# Altium PCB CorePad-V2.0.PcbDoc (part 1 of 3) (continued)
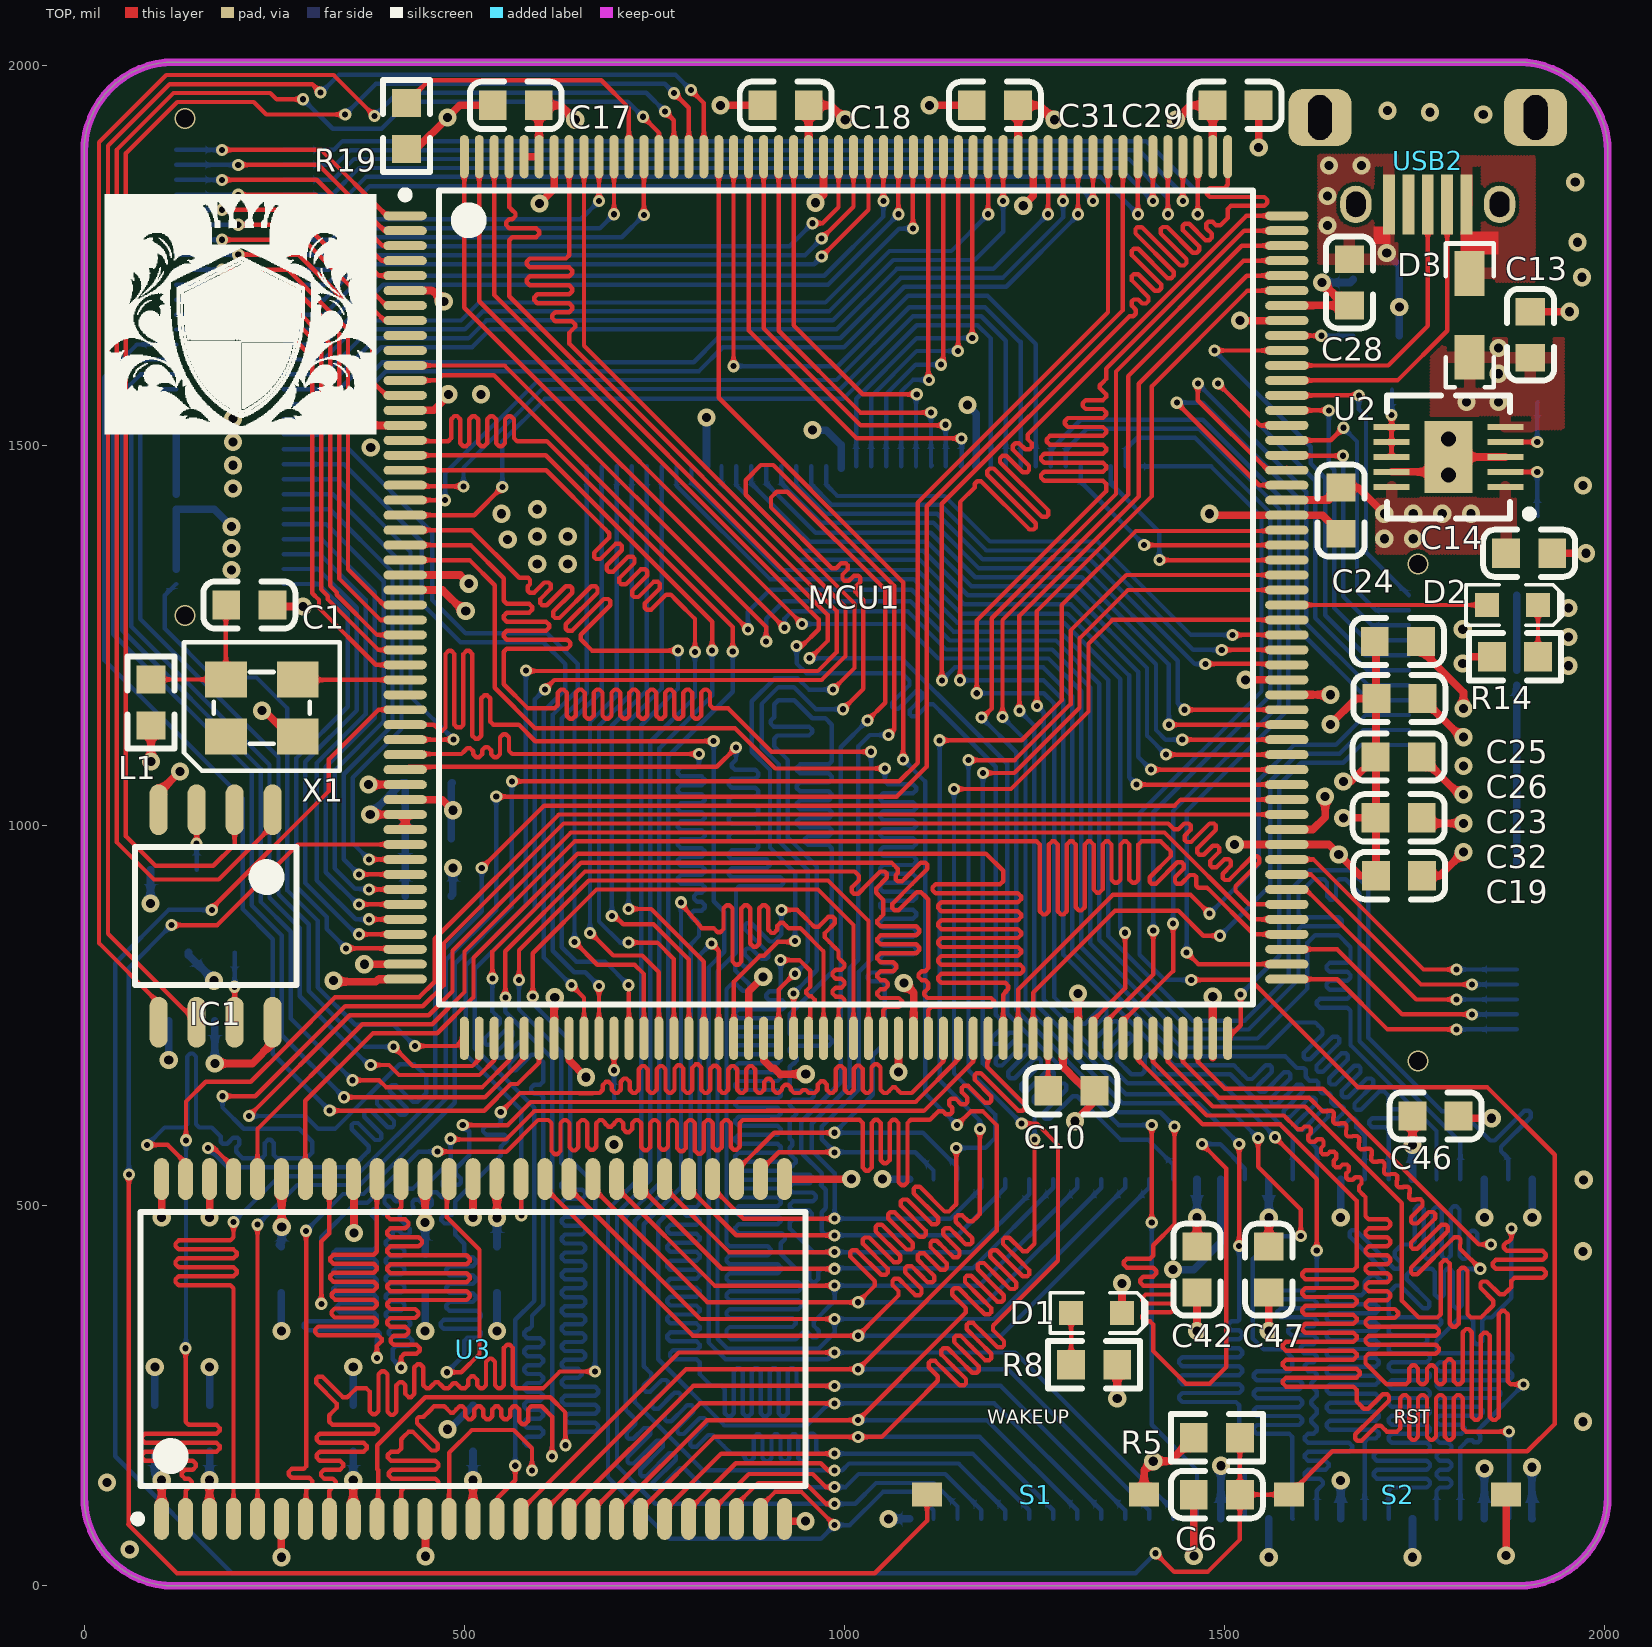
[diagram p0: TOP view]
## Nets (pads, with @x,y where several pads share a name; then routed paths per layer and width w, separated by ;. In a path a pad name is that pad's centre, name@x,y a point inside that pad or via, vN(x,y) a via of type N, cw(c..) or ccw(c..) an arc to the next point about the centre after c; other vN are vias at no path point) (continued)
  BOT w5.78: v1(781,1230) 781,1180 732.77,1131.77 732.77,853.12 732.89,853 732.89,839 732.77,838.88 732.77,797.12 732.89,797 732.89,783 732.77,782.88 732.77,538.77 689,495 689,143 770,62 969,62 v1(987,80) 1007,80 1050.6,123.6 1092.9,123.6 1117.05,99.45 U4.26@1117.05,88.15
FMC_A4: MCU1.23 U3.29 U4.29 | length 2558.9
  TOP w5.78: MCU1.23@422.24,1368.74 508.26,1368.74 551.78,1325.22 551.78,1321 551.78,1315.11 551.78,1303.33 551.78,1295.67 555.9,1291.55 585.18,1291.55 589.31,1287.43 589.31,1283.89 585.18,1279.77 555.9,1279.77 551.78,1275.65 551.78,1272.11 555.9,1267.99 607.52,1267.99 611.65,1263.87 611.65,1260.33 607.52,1256.21 555.9,1256.21 551.78,1252.09 551.78,1248.55 555.9,1244.43 635.47,1244.43 639.6,1240.31 639.6,1236.77 635.47,1232.65 555.9,1232.65 551.78,1228.53 551.78,1224 551.78,1185.88 583.66,1154 617,1154 618.77,1154 622.89,1158.12 622.89,1174.75 627.01,1178.87 630.55,1178.87 634.67,1174.75 634.67,1154 634.67,1144.47 638.79,1140.35 642.33,1140.35 646.45,1144.47 646.45,1154 646.45,1174.75 650.57,1178.87 654.11,1178.87 658.23,1174.75 658.23,1154 658.23,1144.47 662.35,1140.35 665.89,1140.35 670.01,1144.47 670.01,1154 670.01,1174.75 674.13,1178.87 677.67,1178.87 681.79,1174.75 681.79,1154 681.79,1144.47 685.91,1140.35 689.45,1140.35 693.57,1144.47 693.57,1154 693.57,1174.75 697.69,1178.87 701.23,1178.87 705.35,1174.75 705.35,1154 705.35,1144.47 709.47,1140.35 713.01,1140.35 717.13,1144.47 717.13,1154 717.13,1174.75 721.25,1178.87 724.79,1178.87 728.91,1174.75 728.91,1154 728.91,1144.47 733.03,1140.35 736.57,1140.35 740.69,1144.47 740.69,1154 740.69,1174.75 744.81,1178.87 748.35,1178.87 752.47,1174.75 752.47,1154 752.47,1144.47 756.59,1140.35 760.13,1140.35 764.25,1144.47 764.25,1154 764.25,1174.75 768.37,1178.87 771.91,1178.87 776.03,1174.75 776.03,1154 776.03,1144.47 780.15,1140.35 783.69,1140.35 787.81,1144.47 787.81,1154 787.81,1174.75 791.93,1178.87 795.47,1178.87 799.59,1174.75 799.59,1154 799.59,1144.47 803.71,1140.35 807.25,1140.35 811.37,1144.47 811.37,1154 811.37,1174.75 815.49,1178.87 819.03,1178.87 823.15,1174.75 823.15,1158.12 827.27,1154 836,1154 847,1154 904,1097 v1(1035,1097) ; U3.29@889.45,535 889.45,546.3 913.6,570.45 v1@987,570.45
  BOT w5.78: v1(1035,1097) 1035,823.77 1018.73,807.5 1018.73,652.73 970.11,604.11 970.11,587.34 987,570.45 v1(987,570) 987.45,570.45 1092.9,570.45 1117.05,546.3 U4.29@1117.05,535
FMC_A5: MCU1.24 U3.30 U4.30 | length 2595.9
  TOP w5.78: MCU1.24@422.24,1349.06 506.94,1349.06 540,1316 540,1181 593.11,1127.89 856,1127.89 908.89,1075 v1(1053,1075) ; U3.30@857.95,535 857.95,546.3 907.65,596 v1(987,596)
  BOT w5.78: v1(1053,1075) 1053,1060 1053,1058.23 1057.12,1054.11 1090.1,1054.11 1094.22,1049.99 1094.22,1046.45 1090.1,1042.33 1053,1042.33 1050.9,1042.33 1046.78,1038.21 1046.78,1034.67 1050.9,1030.55 1053,1030.55 1090.1,1030.55 1094.22,1026.43 1094.22,1022.89 1090.1,1018.77 1053,1018.77 1050.9,1018.77 1046.78,1014.65 1046.78,1011.11 1050.9,1006.99 1053,1006.99 1090.1,1006.99 1094.22,1002.87 1094.22,999.33 1090.1,995.21 1053,995.21 1050.9,995.21 1046.78,991.09 1046.78,987.55 1050.9,983.43 1053,983.43 1090.1,983.43 1094.22,979.31 1094.22,975.77 1090.1,971.65 1053,971.65 1050.9,971.65 1046.78,967.53 1046.78,963.99 1050.9,959.87 1053,959.87 1090.1,959.87 1094.22,955.75 1094.22,952.21 1090.1,948.09 1053,948.09 1050.9,948.09 1046.78,943.97 1046.78,940.43 1050.9,936.31 1053,936.31 1090.1,936.31 1094.22,932.19 1094.22,928.65 1090.1,924.53 1053,924.53 1050.9,924.53 1046.78,920.41 1046.78,916.87 1050.9,912.75 1053,912.75 1090.1,912.75 1094.22,908.63 1094.22,905.09 1090.1,900.97 1053,900.97 1050.9,900.97 1046.78,896.85 1046.78,893.31 1050.9,889.19 1053,889.19 1090.1,889.19 1094.22,885.07 1094.22,881.53 1090.1,877.41 1053,877.41 1050.9,877.41 1046.78,873.29 1046.78,869.75 1050.9,865.63 1053,865.63 1090.1,865.63 1094.22,861.51 1094.22,857.97 1090.1,853.85 1053,853.85 1050.9,853.85 1046.78,849.73 1046.78,846.19 1050.9,842.07 1053,842.07 1090.1,842.07 1094.22,837.95 1094.22,834.41 1090.1,830.29 1053,830.29 1050.9,830.29 1046.78,826.17 1046.78,822.63 1050.9,818.51 1053,818.51 1062.19,818.51 1066.31,814.39 1066.31,810.85 1062.19,806.73 1053,806.73 1034.63,806.73 1030.51,802.61 1030.51,799.07 1034.63,794.95 1048.88,794.95 1053,790.83 1053,719 1053,714 1037,698 1037,646 v1(987,596) 1103.11,596 1148.54,550.57 U4.30@1148.54,535
FMC_A6: MCU1.71 U3.31 U4.31 | length 2571.1
  TOP w5.78: U3.31@826.46,535 826.46,523.7 867.16,483 v1(987,483) ; MCU1.71@854.33,720.12 854.33,794.33 865.18,805.18 888.75,828.74 894.16,828.74 912.31,846.89 933.89,846.89 v1(935,848) ; v1(984.73,1178.73) 1013.12,1207.12 1013.12,1291.86 870,1434.98 870,1454 890,1474 906.34,1474 1065.22,1315.12 1065.22,1126.22 v1(1058,1119)
  BOT w5.78: v1(935,848) 935,938 902,971 902,1073 878,1097 878,1163.32 908.46,1193.78 938.22,1193.78 953.27,1178.73 v1(984.73,1178.73) ; v1(1058,1119) 1033.11,1119 1018.11,1104 1018.11,823.54 1006.95,812.38 1006.95,657.61 957,607.66 957,572.57 987,542.57 v1(987,483) 1139.34,483 1180.04,523.7 U4.31@1180.04,535
FMC_A7: MCU1.74 U3.32 U4.32 | length 2612.2
  TOP w5.78: U3.32@794.96,523.7 857.66,461 v1(987,461) ; MCU1.74@913.39,720.12 913.39,784.27 934.11,805 v1(935,805) ; v1(997.9,1152.9) 1024.9,1179.9 1024.9,1296.74 1023.64,1298 1019.47,1302.16 1014.06,1307.58 1014.06,1313.41 1020.75,1320.11 1020.75,1325.94 1018.26,1328.44 1012.42,1328.44 1005.73,1321.74 999.9,1321.74 997.4,1324.24 997.4,1330.07 1004.09,1336.77 1004.09,1342.6 1001.6,1345.1 995.77,1345.1 989.07,1338.4 983.24,1338.4 903.32,1418.32 903.32,1431.32 911,1439 924.68,1439 1053.44,1310.24 1053.44,1161.27 v1(1030.17,1138)
  BOT w5.78: v1(935,805) 951.89,821.89 951.89,941.11 913.78,979.22 913.78,1080.22 891,1103 891,1129.35 891,1159.66 913.34,1182 933.34,1182 962.44,1152.9 v1(997.9,1152.9) ; 975.19,498.92 975.19,498.18 975.11,498.1 975.11,497.44 974.98,497.3 974.98,496.72 974.79,496.53 974.79,496.03 970.11,491.35 970.11,466.89 976,461 v1(987,461) 1148.83,461 1211.54,523.7 U4.32@1211.54,535 ; 975.22,498.94 975.22,521.03 968.89,527.36 969.98,528.45 969.98,542.92 945.22,567.69 945.22,568.78 943,571 943,610.32 995.17,662.49 995.17,797.74 995.17,1103 v1(1030.17,1138)
FMC_A8: MCU1.75 U3.33 U4.33 | length 2714.9
  TOP w5.78: U3.33@764.23,522.94 848.17,439 v1(987,439) ; v1(933,779) 933,720.19 MCU1.75@933.07,720.12
  BOT w5.78: v1(933,779) 963.67,809.67 963.67,945.99 925.56,984.1 925.56,1082 925.56,1086 907.56,1104 907.56,1114.21 911.68,1118.33 953.37,1118.33 957.5,1122.45 957.5,1125.99 953.37,1130.11 907.56,1130.11 906.9,1130.11 902.78,1134.23 902.78,1137.77 906.9,1141.89 907.56,1142.55 907.56,1153.67 907.56,1159.56 912.84,1164.84 933.84,1164.84 957.56,1141.12 974.88,1141.12 983.39,1132.61 983.39,1098 983.39,1092.11 983.39,1084.45 979.27,1080.33 941.46,1080.33 937.34,1076.21 937.34,1072.67 941.46,1068.55 979.27,1068.55 983.39,1064.43 983.39,1060.89 979.27,1056.77 941.46,1056.77 937.34,1052.65 937.34,1049.11 941.46,1044.99 979.27,1044.99 983.39,1040.87 983.39,1037.33 979.27,1033.21 941.46,1033.21 937.34,1029.09 937.34,1025.55 941.46,1021.43 979.27,1021.43 983.39,1017.31 983.39,1013.77 979.27,1009.65 941.46,1009.65 937.34,1005.53 937.34,1001.99 941.46,997.87 979.27,997.87 983.39,993.75 983.39,990.21 979.27,986.09 952.01,986.09 947.88,981.97 947.88,978.43 952.01,974.31 979.27,974.31 983.39,970.19 983.39,962.53 983.39,957 983.39,806.9 928.11,751.62 928.11,745.73 928.11,733.95 928.11,726.29 932.23,722.17 979.27,722.17 983.39,718.05 983.39,714.51 979.27,710.39 932.23,710.39 928.11,706.26 928.11,702.73 932.23,698.61 933.29,698.61 937.41,694.49 937.41,690.95 933.29,686.83 932.23,686.83 928.11,682.71 928.11,675.05 928.11,663.27 928.11,655.61 932.23,651.49 955.73,651.49 959.86,647.37 959.86,643.83 955.73,639.71 932.23,639.71 928.11,635.58 928.11,631.99 932.17,627.93 936.29,623.81 936.29,620.27 932.17,616.15 928.11,612.09 928.11,604.37 928.11,594 928.11,588.11 931.22,585 931.22,579.44 928.11,576.33 928.11,568.14 931.7,564.55 935.82,560.43 935.82,556.89 931.7,552.77 928.11,549.18 928.11,545.11 932.23,540.99 954.08,540.99 958.2,536.87 958.2,533.33 954.08,529.21 932.23,529.21 928.11,525.09 928.11,521.55 932.23,517.43 958.3,517.43 962.42,513.31 962.42,509.77 958.3,505.65 932.23,505.65 928.11,501.53 928.11,497.99 932.23,493.87 953.19,493.87 957.31,489.75 957.31,486.21 953.19,482.09 932.23,482.09 928.11,477.97 928.11,469.89 959,439 v1(987,439) 1167,439 1243.03,515.03 U4.33@1243.03,535
FMC_A9: MCU1.76 U3.34 U4.34 | length 2749
  TOP w5.78: U3.34@731.97,523.7 838.67,417 v1(987,417) ; v1(916,823) 940.89,823 954.89,809 954.89,798.82 954.89,787.93 954.01,787.04 949.88,782.92 949.88,779.39 954.01,775.26 954.89,775.26 956.54,775.26 960.66,771.14 960.66,767.61 956.54,763.48 954.89,761.83 954.89,751.7 954.89,739.92 954.89,728.14 954.89,722.25 MCU1.76@952.76,720.12
  BOT w5.78: v1@916.11,823 916.11,817.11 916.11,805.33 916.11,793.55 916.11,785.89 911.99,781.77 901.16,781.77 897.03,777.65 897.03,774.11 901.16,769.99 916.11,769.99 918.04,769.99 922.17,765.87 922.17,762.33 918.04,758.21 916.11,758.21 860.69,758.21 856.57,754.09 856.57,750.55 860.69,746.43 911.99,746.43 916.11,742.31 916.11,738.77 911.99,734.65 860.69,734.65 856.57,730.53 856.57,726.99 860.69,722.87 911.99,722.87 916.11,718.75 916.11,715.21 911.99,711.09 860.69,711.09 856.57,706.97 856.57,703.43 860.69,699.31 911.99,699.31 916.11,695.19 916.11,691.65 911.99,687.53 860.69,687.53 856.57,683.41 856.57,679.87 860.69,675.75 911.99,675.75 916.11,671.63 916.11,668.09 911.99,663.97 860.69,663.97 856.57,659.85 856.57,656.31 860.69,652.19 911.99,652.19 916.11,648.07 916.11,644.53 911.99,640.41 860.69,640.41 856.57,636.29 856.57,632.75 860.69,628.63 911.99,628.63 916.11,624.51 916.11,620.97 911.99,616.85 860.69,616.85 856.57,612.73 856.57,609.19 860.69,605.07 911.99,605.07 916.11,600.95 916.11,597.41 911.99,593.29 860.69,593.29 856.57,589.17 856.57,585.63 860.69,581.51 911.99,581.51 916.11,577.39 916.11,573.85 911.99,569.73 860.69,569.73 856.57,565.61 856.57,562.07 860.69,557.95 911.99,557.95 916.11,553.83 916.11,550.29 911.99,546.17 860.69,546.17 856.57,542.05 856.57,538.51 860.69,534.39 911.99,534.39 916.11,530.27 916.11,526.73 911.99,522.61 860.69,522.61 856.57,518.49 856.57,514.95 860.69,510.83 911.99,510.83 916.11,506.71 916.11,503.17 911.99,499.05 860.69,499.05 856.57,494.93 856.57,491.39 860.69,487.27 911.99,487.27 916.11,483.15 916.11,479.61 911.99,475.49 860.69,475.49 856.57,471.37 856.57,467.83 860.69,463.71 916.11,463.71 917.63,463.71 921.76,459.59 921.76,456.05 917.63,451.93 916.11,450.41 916.11,449 916.11,436.89 936,417 941.89,417 949.55,417 953.67,412.88 953.67,403.55 957.79,399.42 961.33,399.42 965.45,403.55 965.45,412.88 969.57,417 971,417 v1(987,417) ; v1@989,417 988,418 1168.83,418 1274.53,523.7 U4.34@1274.53,535
FMC_A10: MCU1.77 U3.22 U4.22 | length 2688.1
  TOP w5.78: U3.22@763.46,88.15 763.46,99.45 838.02,174 v1(987,174) ; v1(785,899) 785,897.2 785.89,896.31 812.11,864.89 817.31,864.89 828.08,864.89 829.09,863.88 833.21,859.76 836.75,859.76 840.87,863.88 840.87,864.89 840.87,891.1 844.99,895.22 848.53,895.22 852.65,891.1 852.65,864.89 852.65,821.09 856.77,816.96 860.31,816.96 864.43,821.09 864.43,864.89 864.43,891.1 868.55,895.22 872.09,895.22 876.21,891.1 876.21,864.89 876.21,844.65 880.33,840.52 883.87,840.52 887.99,844.65 887.99,864.89 887.99,891.1 892.11,895.22 895.65,895.22 899.77,891.1 899.77,864.89 899.77,862.79 903.89,858.67 907.43,858.67 911.55,862.79 911.55,864.89 911.55,867.99 915.67,872.11 919.21,872.11 923.33,867.99 926.43,864.89 935.11,864.89 941,864.89 942,864.89 972.44,834.45 MCU1.77@972.44,720.12
  BOT w5.78: v1(785,899) 785,524.36 782.53,521.89 736.12,475.48 736.12,288.88 740.28,284.72 745.7,279.3 745.7,273.47 736.12,263.89 736.12,258.06 738.62,255.56 744.45,255.56 756.94,268.06 759.72,270.83 765.55,270.83 768.05,268.33 768.05,262.5 765.27,259.73 747.02,241.47 747.02,235.64 749.52,233.14 755.35,233.14 773.6,251.4 776.38,254.17 782.21,254.17 784.71,251.67 784.71,245.84 781.93,243.07 763.68,224.81 763.68,218.98 766.18,216.48 772.01,216.48 790.26,234.74 793.04,237.51 798.87,237.51 801.37,235.01 801.37,229.18 798.59,226.41 780.34,208.15 780.34,202.32 782.84,199.82 788.67,199.82 806.92,218.08 809.7,220.85 815.53,220.85 818.03,218.35 818.03,212.52 815.25,209.75 797,191.49 797,185.66 799.5,183.16 805.33,183.16 820.67,198.5 826.5,198.5 841.5,183.5 851,174 856.89,174 864.55,174 868.67,169.88 868.67,167.9 872.79,163.78 876.33,163.78 880.45,167.9 880.45,174 880.45,195.1 884.57,199.22 888.11,199.22 892.23,195.1 892.23,174 892.23,167.9 896.35,163.78 899.89,163.78 904.01,167.9 904.01,174 904.01,195.1 908.13,199.22 911.67,199.22 915.79,195.1 915.79,174 915.79,167.9 919.91,163.78 923.45,163.78 927.57,167.9 927.57,174 927.57,195.1 931.69,199.22 935.23,199.22 939.35,195.1 939.35,174 939.35,167.9 943.47,163.78 947.01,163.78 951.13,167.9 951.13,174 951.13,196.16 955.25,200.28 958.79,200.28 962.91,196.16 962.91,178.12 967.03,174 970,174 v1(987,174) 1168.48,174 1243.03,99.45 U4.22@1243.03,88.15
FMC_A11: MCU1.78 U3.35 U4.35 | length 2791
  TOP w5.78: U3.35@700.47,523.7 829.17,395 v1(987,395) ; v1(917,889) 938,889 946.31,880.69 954.64,872.36 960.06,866.94 965.89,866.94 978.73,879.78 984.56,879.78 987.06,877.29 987.06,871.45 974.22,858.61 974.22,852.78 979.63,847.37 987.96,839.04 992.13,834.87 992.13,833.91 992.13,825.91 995.91,822.13 1000.03,818.01 1000.03,814.47 995.91,810.35 992.13,810.35 988.34,810.35 984.22,806.23 984.22,802.69 988.34,798.57 992.13,798.57 995.91,798.57 1000.03,794.45 1000.03,790.91 995.91,786.79 992.13,786.79 988.34,786.79 984.22,782.67 984.22,779.13 988.34,775.01 992.13,775.01 995.91,775.01 1000.03,770.89 1000.03,767.35 995.91,763.23 992.13,759.45 992.13,751.45 992.13,739.67 992.13,727.89 992.13,722 MCU1.78@992.13,720.12
  BOT w5.78: v1(917,889) 917,857 912.84,852.84 907.42,847.42 901.59,847.42 877.44,871.57 871.61,871.57 869.11,869.07 869.11,863.24 896.18,836.18 899.58,832.77 899.58,826.94 897.08,824.44 891.25,824.44 887.85,827.85 877.44,838.25 871.61,838.25 869.11,835.75 869.11,829.92 876.6,822.43 876.6,816.6 874.1,814.1 868.27,814.1 864.76,817.61 858.93,817.61 856.43,815.11 856.43,809.28 862.86,802.86 874.6,791.11 874.6,785.28 872.1,782.78 866.27,782.78 857.44,791.61 851.61,791.61 846.2,786.2 844.79,784.79 844.79,758.97 844.79,476 844.79,470.11 844.79,458.33 844.79,450.67 848.91,446.55 898.92,446.55 903.05,442.43 903.05,438.89 898.92,434.77 848.91,434.77 844.79,430.65 844.79,427.11 848.91,422.99 912.07,422.99 916.19,418.87 916.19,415.33 912.07,411.21 848.91,411.21 844.79,407.09 844.79,403.55 848.91,399.43 939.38,399.43 943.5,395.31 943.5,391.77 939.38,387.65 848.91,387.65 844.79,383.53 844.79,379.99 848.91,375.87 939.38,375.87 943.5,371.75 943.5,368.21 939.38,364.09 848.91,364.09 844.79,359.97 844.79,356.43 848.91,352.31 931.59,352.31 935.71,348.19 935.71,344.65 931.59,340.53 848.91,340.53 844.79,336.41 844.79,330 850.79,324 936,324 940.16,328.16 945.58,333.58 951.41,333.58 957.73,327.26 963.56,327.26 966.06,329.76 966.06,335.59 959.74,341.91 959.74,347.74 983,371 987,375 v1(987,395) 1177.32,395 1306.02,523.7 U4.35@1306.02,535
FMC_A12: MCU1.129 U3.36 U4.36 | length 2771.4
  TOP w5.78: U3.36@668.98,523.7 819.68,373 v1(1018,373) 1037.5,392.5 1039.96,394.96 1039.96,400.79 1007.57,433.18 1007.57,439.02 1010.07,441.51 1015.9,441.51 1048.29,409.12 1054.12,409.12 1056.62,411.62 1056.62,417.45 1024.24,449.84 1024.24,455.67 1026.74,458.17 1032.57,458.17 1064.95,425.78 1070.78,425.78 1073.28,428.28 1073.28,434.11 1040.9,466.5 1040.9,472.33 1043.4,474.83 1049.23,474.83 1081.61,442.44 1087.44,442.44 1089.94,444.94 1089.94,450.77 1057.56,483.16 1057.56,488.99 1060.06,491.49 1065.89,491.49 1098.27,459.1 1104.1,459.1 1106.6,461.6 1106.6,467.43 1074.22,499.82 1074.22,505.65 1076.71,508.15 1082.55,508.15 1114.93,475.76 1120.76,475.76 1123.26,478.26 1123.26,484.09 1090.88,516.48 1090.88,522.31 1093.37,524.81 1099.2,524.81 1131.59,492.42 1137.42,492.42 1142.84,497.84 1147,502 v1(1147,576) ; v1(1144,1048) 1218.98,1048 1320.84,1149.86 1320.84,1238.84 1352.31,1270.31 MCU1.129@1581.69,1270.31
  BOT w5.78: v1(1018,373) 1186.82,373 1337.52,523.7 U4.36@1337.52,535 ; v1(1144,1048) 1144,674 1198,620 1198,589 1185,576 v1(1147,576)
FMC_BA0: MCU1.131 U3.20 U4.20 | length 2726.6
  TOP w5.78: U3.20@700.47,88.15 700.47,99.45 819.02,218 v1(1018,218) 1130.5,330.5 1159.51,359.51 1159.51,365.34 1141.79,383.07 1141.79,388.9 1144.29,391.4 1150.12,391.4 1170.76,370.76 1184.4,357.12 1190.23,357.12 1192.73,359.62 1192.73,365.45 1179.09,379.09 1158.45,399.73 1158.45,405.56 1160.95,408.06 1166.78,408.06 1187.42,387.42 1201.06,373.78 1206.89,373.78 1209.39,376.28 1209.39,382.11 1195.75,395.75 1175.11,416.39 1175.11,422.22 1177.6,424.72 1183.44,424.72 1204.08,404.08 1217.72,390.44 1223.55,390.44 1226.05,392.93 1226.05,398.77 1212.41,412.41 1191.77,433.05 1191.77,438.88 1194.26,441.38 1200.1,441.38 1220.74,420.74 1234.38,407.1 1240.21,407.1 1242.71,409.59 1242.71,415.42 1229.07,429.07 1208.42,449.71 1208.42,455.54 1210.92,458.04 1216.75,458.04 1234.48,440.31 1240.31,440.31 1245.73,445.73 1249.89,449.89 v1(1249.89,586.89) ; v1(1182,1069) 1223.32,1069 1309.06,1154.74 1309.06,1246.06 1372.69,1309.69 MCU1.131@1581.69,1309.69
  BOT w5.78: v1(1018,218) 1187.47,218 1306.02,99.45 U4.20@1306.02,88.15 ; v1(1182,1069) 1182,687 1249.89,619.11 v1(1249.89,586.89)
FMC_BA1: MCU1.132 U3.21 U4.21 | length 2717
  TOP w5.78: U3.21@731.97,88.15 731.97,99.45 828.52,196 v1(1018,196) ; v1(1163,1086) 1223.66,1086 1297.28,1159.62 1297.28,1256.28 1370.37,1329.37 MCU1.132@1581.69,1329.37 ; v1(1233,608) 1252.67,608 1280.78,579.89 1280.78,427.78 1196.5,343.5 1195.25,342.25 1195.25,336.42 1209.71,321.96 1209.71,316.13 1207.21,313.63 1201.38,313.63 1184.01,331.01 1169.13,345.88 1163.3,345.88 1160.8,343.38 1160.8,337.55 1175.68,322.68 1193.05,305.3 1193.05,299.47 1190.55,296.97 1184.72,296.97 1167.35,314.35 1152.47,329.22 1146.64,329.22 1144.14,326.72 1144.14,320.89 1159.02,306.02 1176.39,288.64 1176.39,282.81 1173.89,280.31 1168.06,280.31 1150.69,297.69 1135.81,312.56 1129.98,312.56 1127.48,310.06 1127.48,304.23 1142.36,289.36 1159.73,271.98 1159.73,266.15 1157.23,263.65 1151.4,263.65 1134.03,281.03 1119.15,295.9 1113.32,295.9 1110.82,293.4 1110.82,287.57 1122.78,275.61 1122.78,269.78 1091,238 1049,196 ; v1(1018,196) 1049,196 ; v1(1018,196) 1049,196
  BOT w5.78: v1(1018,196) 1177.98,196 1274.53,99.45 U4.21@1274.53,88.15 ; v1(1163,1086) 1163,678 v1(1233,608)
FMC_D0: MCU1.116 U3.2 | length 2612.3
  TOP w5.78: U3.2@133.54,88.15 133.54,94.04 133.54,105.82 133.54,117.6 133.54,125.26 137.67,129.38 141.79,133.5 141.79,137.04 137.67,141.16 133.54,141.16 132.58,141.16 128.46,145.28 128.46,148.82 132.58,152.94 133.54,152.94 143,152.94 147.12,157.06 147.12,160.6 143,164.72 133.54,164.72 80.2,164.72 76.07,168.84 76.07,172.38 80.2,176.5 133.54,176.5 174.12,176.5 178.24,180.62 178.24,184.16 174.12,188.28 133.54,188.28 80.2,188.28 76.07,192.4 76.07,195.94 80.2,200.06 133.54,200.06 174.12,200.06 178.24,204.18 178.24,207.72 174.12,211.84 137.67,211.84 133.54,215.96 133.54,223 v1(133.54,312.54) ; v1(134,586) 134,637 160,663 219.28,663 267.7,711.42 267.7,711.7 330.01,774.01 440.53,774.01 461,794.48 461,851 624.41,1014.41 MCU1.116@1581.69,1014.41
  BOT w5.78: v1(133.54,312.54) 132,314.09 135,317.09 134,318.09 v1(134,586)
FMC_D1: MCU1.117 U3.4 | length 2591.2
  TOP w5.78: U3.4@196.54,88.15 196.54,359 196.54,391.31 192.41,395.43 124.39,395.43 120.26,399.55 120.26,403.09 124.39,407.21 196.54,407.21 200.66,411.33 200.66,414.87 196.54,418.99 124.39,418.99 120.26,423.11 120.26,426.65 124.39,430.77 196.54,430.77 200.66,434.89 200.66,438.43 196.54,442.55 124.39,442.55 120.26,446.67 120.26,450.21 124.39,454.33 192.41,454.33 196.54,458.45 196.54,466.11 196.54,472 v1(196.54,478.46) ; v1(523,944) 605.19,1026.19 1434.09,1026.19 1442,1034.09 MCU1.117@1581.69,1034.09
  BOT w5.78: v1(196.54,478.46) 257.07,539 357.68,539 462,643.32 462,826 523,887 v1(523,944)
FMC_D2: MCU1.164 U3.5 | length 2619.6
  TOP w5.78: U3.5@228.03,88.15 v1(228.03,475.03) ; v1(542,1038) 1068.66,1038 1108.11,1077.45 1108.11,1419.77 1366.14,1677.8 MCU1.164@1366.14,1879.57
  BOT w5.78: v1(228.03,475.03) 280.22,527.22 362.56,527.22 475.78,640.44 475.78,823.12 542,889.34 v1(542,1038)
FMC_D3: MCU1.165 U3.7 | length 2593.5
  TOP w5.78: U3.7@291.02,88.15 292,89.13 292,95.02 292,106.8 292,118.58 292,126.23 296.12,130.36 300.25,134.48 300.25,138.01 296.12,142.14 292,142.14 273.07,142.14 268.95,146.26 268.95,149.79 273.07,153.92 288.92,153.92 292,157 v1(292,467) ; v1@560.67,1058.11 v1(562.67,1058.11) 1072.11,1058.11 1096.33,1082.33 1096.33,1424.65 1346.46,1674.78 MCU1.165@1346.46,1879.57
  BOT w5.78: v1(292,467) 340.44,515.44 367.44,515.44 487.56,635.56 487.56,818.24 562.67,893.35 v1(562.67,1058.11)